# Altium PCB Archimajor.PcbDoc (part 10 of 13) (continued)
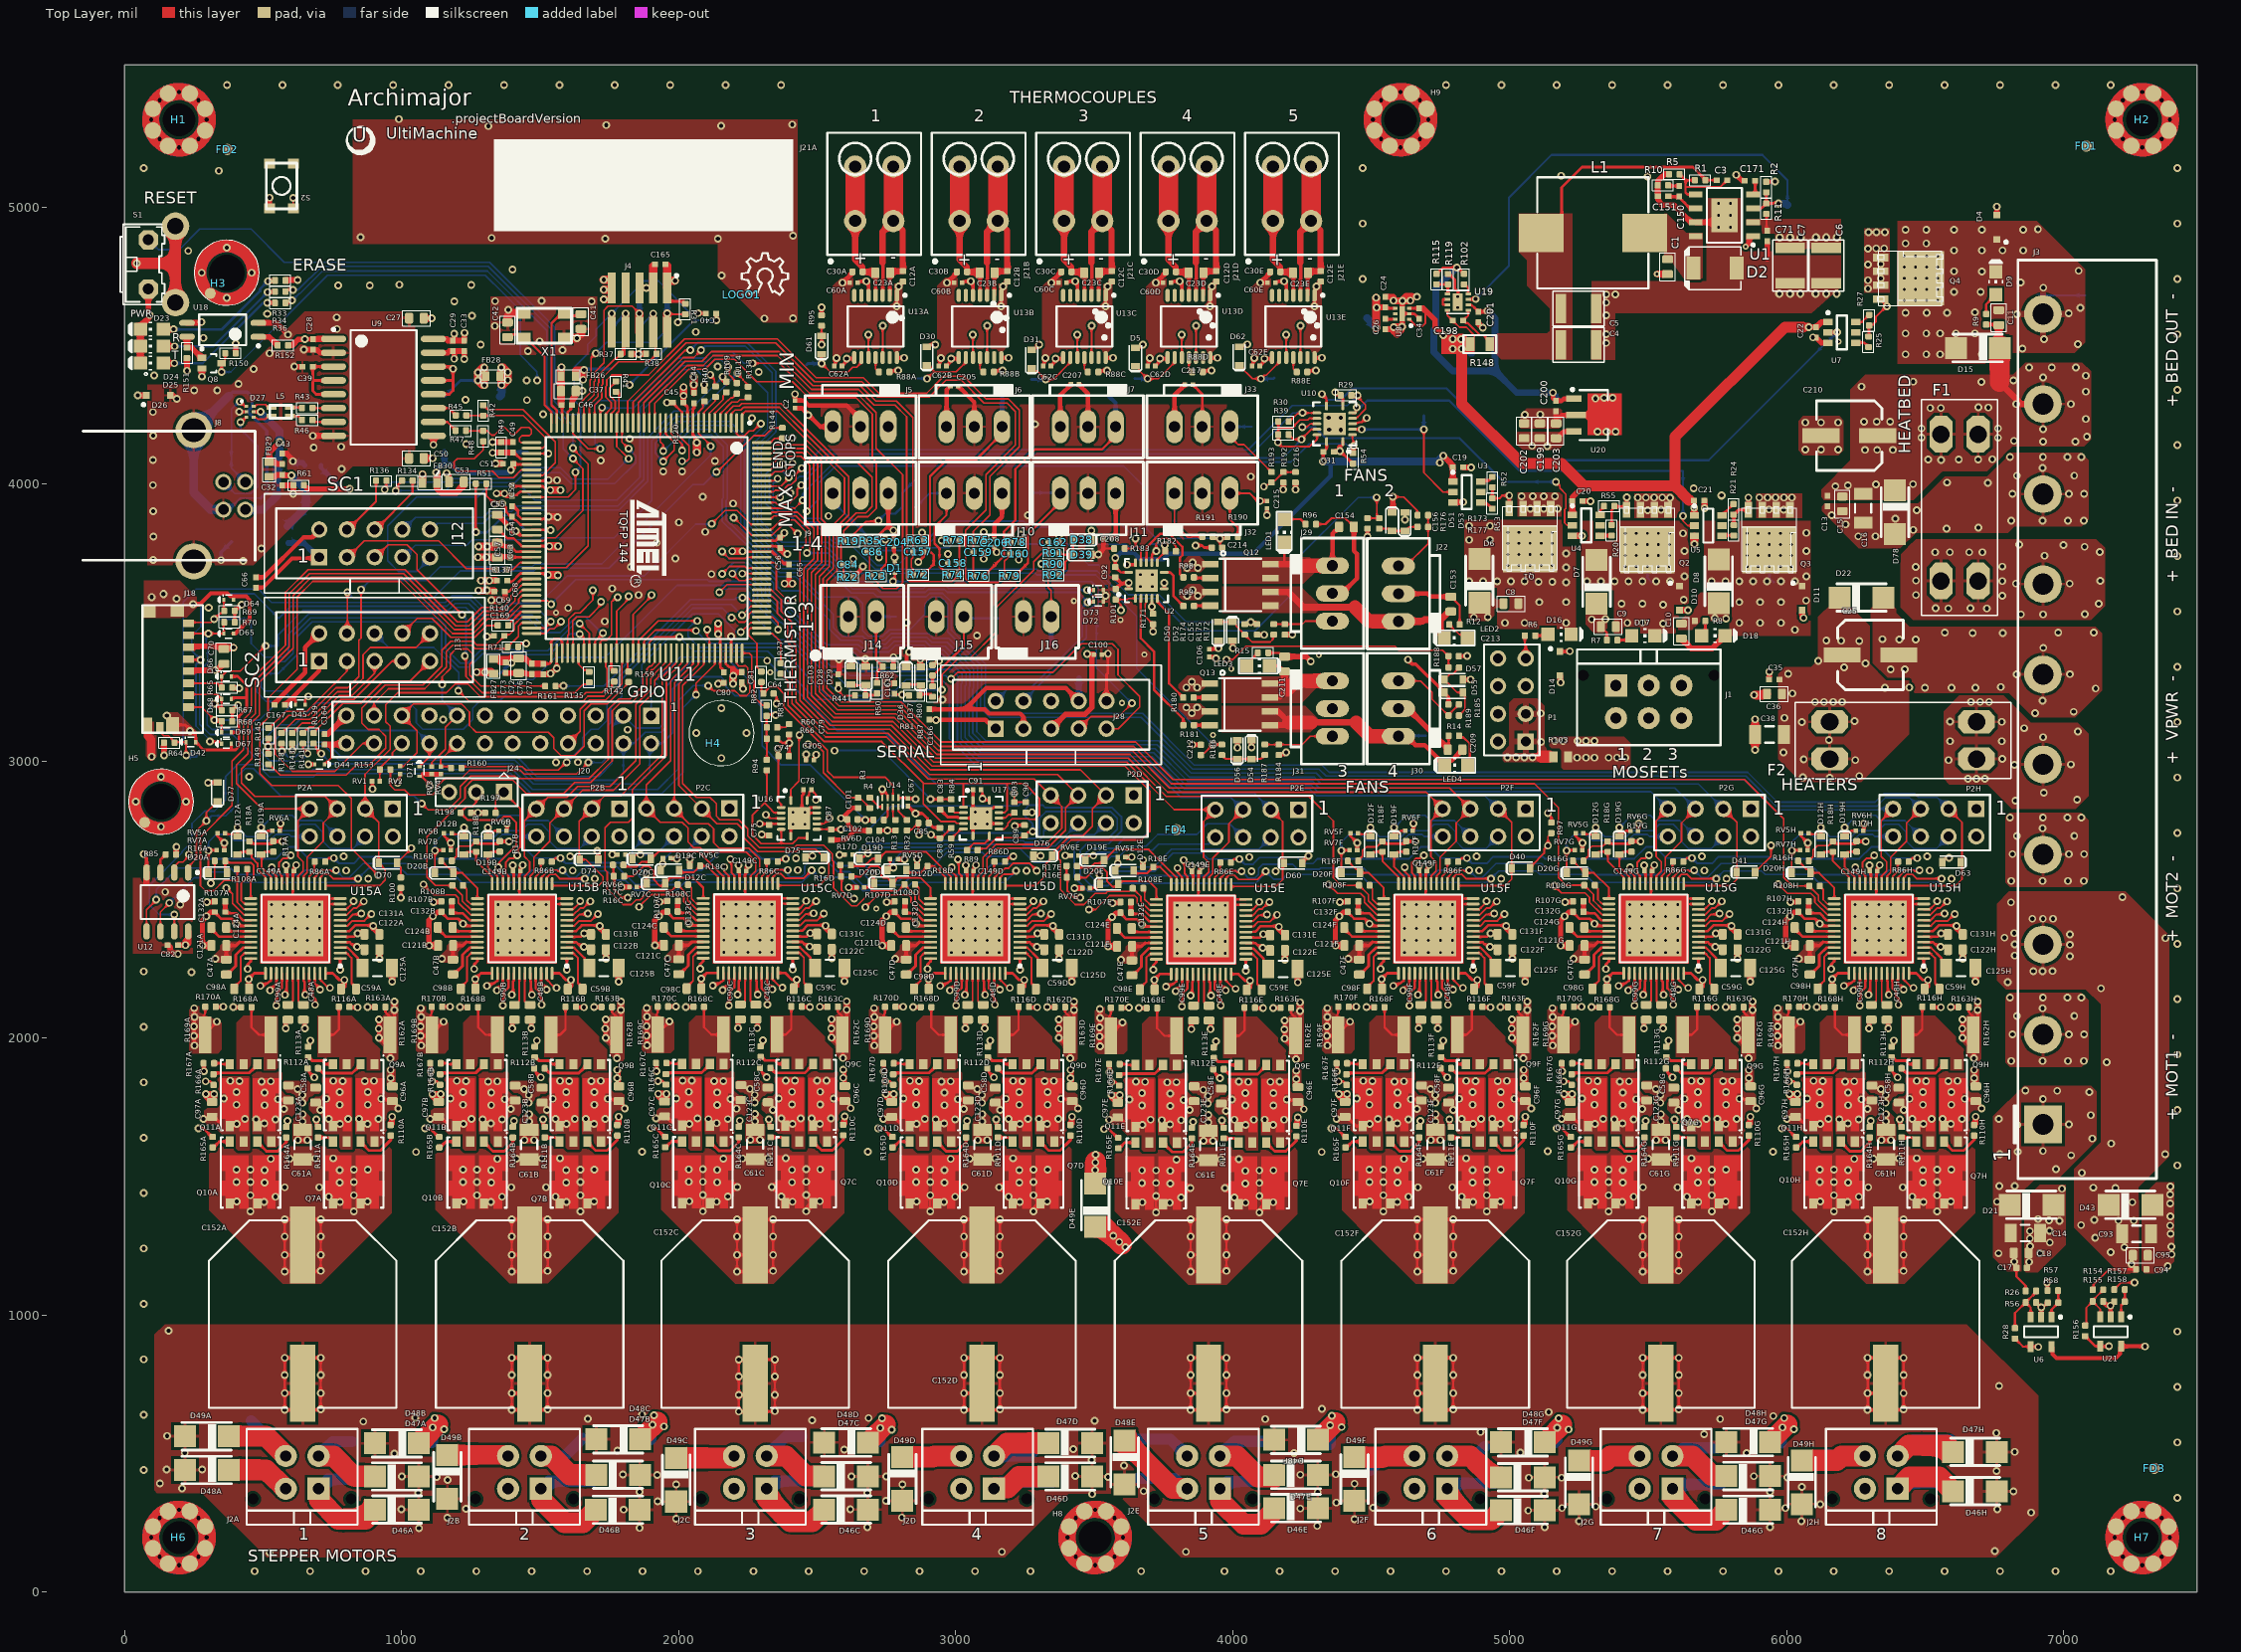
[diagram p0: Top Layer view]
## Nets (pads, with @x,y where several pads share a name; then routed paths per layer and width w, separated by ;. In a path a pad name is that pad's centre, name@x,y a point inside that pad or via, vN(x,y) a via of type N, cw(c..) or ccw(c..) an arc to the next point about the centre after c; other vN are vias at no path point) (continued)
  Top Layer w8: R116B.1@1629.81,2112.53 1631.81,2110.53 v1(1658.91,2110.53)
  Mid1 w6: v1(1658.91,2110.53) 1658.91,2110.88 1681.91,2133.88 1681.91,2179.53 1779.91,2277.53 1779.91,2433 1719.79,2493.13 v1(1681.59,2493.13)
SRBHC: R116C.1 U15C.9 | length 627.9
  Top Layer w7: U15C.9@2412.02,2445.27 2435.79,2445.27 2460.09,2469.57 2471.01,2469.57 2487.78,2486.34 v1@2497.19,2486.34
  Top Layer w8: R116C.1@2445.08,2113.49 2447.08,2111.49 v1(2474.18,2111.49)
  Mid1 w6: v1(2474.18,2111.49) 2474.18,2111.84 2497.18,2134.84 2497.18,2180.49 2595.18,2278.49 2595.18,2433.96 2535.06,2494.09 v1(2496.86,2494.09)
SRBHD: R116D.1 U15D.9 | length 627.9
  Top Layer w7: U15D.9@3232.57,2444.31 3256.35,2444.31 3280.64,2468.61 3291.56,2468.61 3308.34,2485.38 v1@3317.75,2485.38
  Top Layer w8: R116D.1@3265.64,2112.53 3267.64,2110.53 v1(3294.74,2110.53)
  Mid1 w6: v1(3294.74,2110.53) 3294.74,2110.88 3317.74,2133.88 3317.74,2179.53 3415.74,2277.53 3415.74,2433 3355.62,2493.13 v1(3317.42,2493.13)
SRBHE: R116E.1 U15E.9 | length 627.9
  Top Layer w7: U15E.9@4047.85,2441.33 4071.62,2441.33 4095.92,2465.63 4106.83,2465.63 4123.61,2482.41 v1@4133.02,2482.41
  Top Layer w8: R116E.1@4080.91,2109.55 4082.91,2107.55 v1(4110.01,2107.55)
  Mid1 w6: v1(4110.01,2107.55) 4110.01,2107.91 4133.01,2130.91 4133.01,2176.55 4231.01,2274.55 4231.01,2430.03 4170.89,2490.15 v1(4132.69,2490.15)
SRBHF: R116F.1 U15F.9 | length 627.9
  Top Layer w7: U15F.9@4868.4,2444.31 4892.17,2444.31 4916.47,2468.61 4927.39,2468.61 4944.16,2485.38 v1@4953.57,2485.38
  Top Layer w8: R116F.1@4901.46,2112.53 4903.46,2110.53 v1(4930.57,2110.53)
  Mid1 w6: v1(4930.57,2110.53) 4930.57,2110.88 4953.57,2133.88 4953.57,2179.53 5051.57,2277.53 5051.57,2433 4991.44,2493.13 v1(4953.24,2493.13)
SRBHG: R116G.1 U15G.9 | length 627.9
  Top Layer w7: U15G.9@5681.4,2444.31 5705.17,2444.31 5729.47,2468.61 5740.39,2468.61 5757.16,2485.38 v1@5766.57,2485.38
  Top Layer w8: R116G.1@5714.46,2112.53 5716.46,2110.53 v1(5743.57,2110.53)
  Mid1 w6: v1(5743.57,2110.53) 5743.57,2110.88 5766.57,2133.88 5766.57,2179.53 5864.57,2277.53 5864.57,2433 5804.44,2493.13 v1(5766.24,2493.13)
SRBHH: R116H.1 U15H.9 | length 627.9
  Top Layer w7: U15H.9@6494.4,2444.31 6518.17,2444.31 6542.47,2468.61 6553.39,2468.61 6570.16,2485.38 v1@6579.57,2485.38
  Top Layer w8: R116H.1@6527.46,2112.53 6529.46,2110.53 v1(6556.57,2110.53)
  Mid1 w6: v1(6556.57,2110.53) 6556.57,2110.88 6579.57,2133.88 6579.57,2179.53 6677.57,2277.53 6677.57,2433 6617.44,2493.13 v1(6579.24,2493.13)
SRBLA: R163A.1 U15A.10 | length 649.2
  Top Layer w7: U15A.10@778.83,2463.99 801.07,2463.99 823.32,2486.24 v1@827.26,2486.24 ; v1(827.26,2494.11) v1@831.2,2498.05 ; v1(877,2111.53) R163A.1@904,2111.53
  Mid1 w6: v1(827.26,2494.11) 852.18,2519.03 894.5,2519.03 975,2438.53 975,2272.14 877,2174.14 v1(877,2111.53)
SRBLB: R163B.1 U15B.10 | length 649.2
  Top Layer w7: U15B.10@1596.75,2463.99 1618.99,2463.99 1641.23,2486.24 v1@1645.17,2486.24 ; v1(1645.17,2494.11) v1@1649.11,2498.05 ; v1(1694.91,2111.53) R163B.1@1721.91,2111.53
  Mid1 w6: v1(1645.17,2494.11) 1670.09,2519.03 1712.41,2519.03 1792.91,2438.53 1792.91,2272.14 1694.91,2174.14 v1(1694.91,2111.53)
SRBLC: R163C.1 U15C.10 | length 649.2
  Top Layer w7: U15C.10@2412.02,2464.95 2434.26,2464.95 2456.5,2487.2 v1@2460.44,2487.2 ; v1(2460.44,2495.07) v1@2464.38,2499.01 ; v1(2510.18,2112.49) R163C.1@2537.18,2112.49
  Mid1 w6: v1(2460.44,2495.07) 2485.36,2519.99 2527.68,2519.99 2608.18,2439.49 2608.18,2273.1 2510.18,2175.1 v1(2510.18,2112.49)
SRBLD: R163D.1 U15D.10 | length 649.2
  Top Layer w7: U15D.10@3232.57,2463.99 3254.81,2463.99 3277.06,2486.24 v1@3281,2486.24 ; v1(3281,2494.11) v1@3284.94,2498.05 ; v1(3330.74,2111.53) R163D.1@3357.74,2111.53
  Mid1 w6: v1(3281,2494.11) 3305.92,2519.03 3348.24,2519.03 3428.74,2438.53 3428.74,2272.14 3330.74,2174.14 v1(3330.74,2111.53)
SRBLE: R163E.1 U15E.10 | length 649.2
  Top Layer w7: U15E.10@4047.85,2461.02 4070.08,2461.02 4092.33,2483.26 v1@4096.27,2483.26 ; v1(4096.27,2491.13) v1@4100.21,2495.07 ; v1(4146.01,2108.55) R163E.1@4173.01,2108.55
  Mid1 w6: v1(4096.27,2491.13) 4121.19,2516.05 4163.51,2516.05 4244.01,2435.55 4244.01,2269.17 4146.01,2171.17 v1(4146.01,2108.55)
SRBLF: R163F.1 U15F.10 | length 649.2
  Top Layer w7: U15F.10@4868.4,2463.99 4890.64,2463.99 4912.88,2486.24 v1@4916.83,2486.24 ; v1(4916.83,2494.11) v1@4920.76,2498.05 ; v1(4966.57,2111.53) R163F.1@4993.57,2111.53
  Mid1 w6: v1(4916.83,2494.11) 4941.74,2519.03 4984.07,2519.03 5064.57,2438.53 5064.57,2272.14 4966.57,2174.14 v1(4966.57,2111.53)
SRBLG: R163G.1 U15G.10 | length 649.2
  Top Layer w7: U15G.10@5681.4,2463.99 5703.64,2463.99 5725.88,2486.24 v1@5729.83,2486.24 ; v1(5729.83,2494.11) v1@5733.76,2498.05 ; v1(5779.57,2111.53) R163G.1@5806.57,2111.53
  Mid1 w6: v1(5729.83,2494.11) 5754.74,2519.03 5797.07,2519.03 5877.57,2438.53 5877.57,2272.14 5779.57,2174.14 v1(5779.57,2111.53)
SRBLH: R163H.1 U15H.10 | length 649.2
  Top Layer w7: U15H.10@6494.4,2463.99 6516.64,2463.99 6538.88,2486.24 v1@6542.83,2486.24 ; v1(6542.83,2494.11) v1@6546.76,2498.05 ; v1(6592.57,2111.53) R163H.1@6619.57,2111.53
  Mid1 w6: v1(6542.83,2494.11) 6567.74,2519.03 6610.07,2519.03 6690.57,2438.53 6690.57,2272.14 6592.57,2174.14 v1(6592.57,2111.53)
STEP1: P2A.5 U11.65 U15A.17 | length 2485.5
  Top Layer w6: U15A.17@646.94,2556.51 646.94,2584.35 659.45,2596.85 659.45,2652.03 717.52,2710.1 717.52,2775.98 P2A.5@768.7,2827.17 723.42,2872.44 470.47,2872.44 422.24,2920.67 422.24,2970.79 460.12,3008.67 460.12,3138.85 486.58,3165.31 486.58,3284.11 609,3406.53 609,3597.53 674,3662.53 1001.6,3662.53 1190.12,3474.01 1252.94,3474.01 1305.55,3526.62 1378.61,3526.62 1423.21,3571.22 1423.21,3584.84 1436.31,3597.94 U11.65@1469.65,3597.94
STEP2: P2B.5 U11.95 U15B.17 | length 1108.6
  Top Layer w6: U15B.17@1464.86,2556.51 1464.86,2584.35 1477.36,2596.85 1477.36,2652.03 1535.43,2710.1 1535.43,2775.98 P2B.5@1586.61,2827.17 1653.54,2894.09 1764.76,2894.09 1860.47,2989.8 1860.47,3197.61 1913.61,3250.75 1913.61,3290.63 1928.53,3305.55 1928.53,3310.54 1969.8,3351.82 1969.8,3353.94 1973.58,3357.72 U11.95@1973.58,3389.28
STEP3: P2C.5 U11.99 U15C.17 | length 1098.9
  Top Layer w6: U11.99@2052.32,3389.28 2052.32,3348.98 1986.53,3283.18 1986.53,2873.65 1983.87,2870.99 1983.87,2828.23 P2C.5@1983.97,2828.12 2038.5,2773.6 2108.38,2773.6 2126.69,2755.29 2126.69,2705.09 2146.74,2685.04 2253.47,2685.04 ; 2255.07,2683.44 2253.47,2685.04 ; U15C.17@2280.13,2557.47 2280.13,2585.31 2292.63,2597.81 2292.63,2645.88 2253.47,2685.04
STEP4: P2D.5 U11.117 U15D.17 | length 2202.5
  Top Layer w6: U11.117@2300.35,3617.62 2335.19,3617.62 2370.92,3581.89 2370.92,3539.2 2407.51,3502.61 2407.51,3434.19 2423.79,3417.91 2423.79,3213.14 2536.69,3100.23 2756.65,3100.23 2906.09,2950.79 3368.2,2950.79 P2D.5@3443.03,2875.96 3397.55,2830.49 3397.55,2749.58 3332.78,2684.81 3151.32,2684.81 3113.19,2646.68 3113.19,2596.85 3100.68,2584.35 U15D.17@3100.68,2556.51
STEP5: P2E.5 U11.118 U15E.17 | length 2890.1
  Top Layer w6: v1(2147.64,3609.25) 2175.3,3636.92 2299.97,3636.92 U11.118@2300.35,3637.31 ; U15E.17@3915.96,2553.53 3915.96,2581.37 3928.46,2593.88 3928.46,2649.06 3986.53,2707.13 3986.53,2773.01 P2E.5@4037.71,2824.19
  Bottom Layer w6: v1(2147.64,3609.25) 2158.64,3620.25 2243.53,3620.25 2256.3,3607.48 2256.3,3540.94 2359.57,3437.67 2408.88,3437.67 2536.14,3310.41 2568.62,3310.41 2624.26,3254.77 2782.33,3254.77 2821.85,3294.29 2949.23,3294.29 2977.98,3265.55 2977.98,3080.18 3072.55,2985.61 3696.57,2985.61 3813.7,2868.48 3993.42,2868.48 P2E.5@4037.71,2824.19
STEP6: P2F.5 U11.1 U15F.17 | length 4161.4
  Top Layer w6: U11.1@2229.49,4219.98 2229.49,4251.02 2240.48,4262.01 2241.38,4262.01 2241.89,4262.53 2358,4262.53 2599,4021.53 2599,3893.33 2544.23,3838.56 2544.23,3702.11 2507.79,3665.66 2507.79,3249.66 2508.26,3249.66 2573.69,3184.23 2791.44,3184.23 2937.88,3037.8 3637.33,3037.8 3772.2,2902.93 4782.5,2902.93 P2F.5@4858.27,2827.17 4807.09,2775.98 4807.09,2710.1 4749.02,2652.03 4749.02,2596.85 4736.51,2584.35 U15F.17@4736.51,2556.51
STEP7: P2G.5 U11.123 U15G.17 | length 4556.9
  Top Layer w6: v1(2157.19,3755.91) 2182.28,3730.82 2241.03,3730.82 2245.94,3735.73 U11.123@2300.35,3735.73 ; U15G.17@5549.51,2556.51 5549.51,2584.35 5562.02,2596.85 5562.02,2652.03 5620.09,2710.1 5620.09,2775.98 P2G.5@5671.27,2827.17
  Bottom Layer w6: v1(2157.19,3755.91) 2185.31,3727.79 2190.28,3727.79 2192.41,3729.92 2255.63,3729.92 2283.83,3701.72 2283.83,3701.47 2343.59,3641.71 2343.59,3610.31 2534.4,3419.51 2648.4,3419.51 2660.39,3407.53 2753.96,3407.53 2778.31,3431.88 2891.06,3431.88 2908.36,3414.59 2962.47,3414.59 3051.4,3325.66 3051.4,3268.65 3048.24,3265.49 3048.24,3092.67 3097.23,3043.68 3720.62,3043.68 3837.75,2926.55 4289.32,2926.55 4313.06,2902.81 5595.62,2902.81 P2G.5@5671.27,2827.17
STEP8: P2H.5 U11.16 U15H.17 | length 6153.3
  Top Layer w6: U11.16@1934.21,4215.01 1934.21,4152.03 1944.39,4141.85 ; v1(1944.37,4118.16) 1944.37,4141.82 ; U15H.17@6362.51,2556.51 6362.51,2584.35 6375.02,2596.85 6375.02,2652.03 6433.09,2710.1 6433.09,2775.98 P2H.5@6484.27,2827.17
  Bottom Layer w6: v1(1944.37,4118.16) 1945.63,4118.16 2038.93,4211.46 2179.13,4211.46 2224.13,4166.46 2224.13,3840.37 2296.42,3768.08 2296.42,3748.53 2325.83,3719.12 2325.83,3718.87 2365.08,3679.62 2428.85,3679.62 2516.46,3592.01 2640.73,3592.01 2664.37,3568.37 2664.37,3470.32 2685.17,3449.53 2736.56,3449.53 2760.91,3473.88 2833.91,3473.88 2889,3528.97 2889,3567.51 2913.02,3591.53 2946.98,3591.53 2971,3567.51 2971,3466.64 3093.4,3344.24 3093.4,3251.26 3090.24,3248.1 3090.24,3190.43 3123.58,3157.09 3669.59,3157.09 3855.81,2970.87 4311.77,2970.87 4337.39,2945.25 5853.13,2945.25 5961.18,2837.2 6325.73,2837.2 6356.22,2867.69 6443.74,2867.69 P2H.5@6484.27,2827.17
TACH_1: C155.1 R174.1 U11.139 | length 2349.3
  Top Layer w6: U11.139@2300.35,4050.69 2331.91,4050.69 2335.69,4054.47 2338.03,4054.47 2341.6,4058.05 2358.33,4058.05 2373.49,4073.2 v1(2375.7,4073.2) ; R174.1@4044.01,3493.53 4087.25,3493.53 4088.25,3493.53 C155.1@4088.3,3493.48
  Top Layer w12: v1(4065.66,3501.35) 4082.61,3501.35 4081.52,3500.26 4082.3,3499.48 4082.3,3498.48 4087.25,3493.53 4087.3,3493.48 C155.1@4088.3,3493.48
  Bottom Layer w6: v1(2375.7,4073.2) 2352.08,4073.2 2312.61,4033.73 2312.61,3930.82 2357.23,3886.2 2402.09,3886.2 2440.27,3848.01 2500.12,3848.01 2561.04,3787.09 2635.28,3787.09 2716.33,3706.04 2791.35,3706.04 2828.79,3743.48 2882.59,3743.48 2908.18,3769.07 2975.11,3769.07 3006.61,3800.57 3216.65,3800.57 3234.36,3782.85 3405.23,3782.85 3480.38,3707.7 3516.45,3707.7 3624.15,3600 3734.74,3600 3833.38,3501.35 3949.94,3501.35 v1(4065.66,3501.35)
TACH_2: C156.1 R176.1 U11.21 | length 4056.3
  Top Layer w6: U11.21@1835.79,4219.98 1835.79,4295.1 2023.34,4482.65 v1(2042.04,4482.65) ; C156.1@4486.92,3876.35 4529.05,3876.35 R176.1@4529.25,3876.55 4529,3876.55 4521.11,3884.44 4521.11,3884.69 4520.39,3885.41 v1(4520.39,3951.16)
  Bottom Layer w6: v1(2042.04,4482.65) 2070.81,4511.42 2246.66,4511.42 2351.32,4406.76 2351.32,4187.37 2298.61,4134.66 2298.61,3864.88 2374.08,3789.41 2538.92,3789.41 2555.24,3773.09 2629.48,3773.09 2710.53,3692.04 3292.81,3692.04 3298.98,3685.87 3511.1,3685.87 3610.98,3586 3726.1,3586 3842.24,3469.86 4080.43,3469.86 4210.35,3599.78 4210.35,3708.05 4453.46,3951.16 v1(4520.39,3951.16)
TACH_3: C212.1 R186.1 U11.20 | length 3422.6
  Top Layer w6: U11.20@1855.47,4219.98 1855.47,4294.11 2017.66,4456.3 2055.06,4456.3 v1(2081.41,4482.65) ; C212.1@3885.55,3021.04 3892.68,3028.18 3897.6,3028.18 v1(3928.85,3059.42) 3961.17,3059.42 R186.1@3961.44,3059.16
  Bottom Layer w6: v1(2081.41,4482.65) 2096.18,4497.42 2240.86,4497.42 2337.32,4400.96 2337.32,4193.17 2284.61,4140.46 2284.61,3859.08 2368.72,3774.98 2452.44,3774.98 2452.87,3775.41 2530.32,3775.41 2541.32,3764.41 2544.12,3764.41 2631.47,3677.07 2675.36,3677.07 2675.82,3677.53 3287.52,3677.53 3293.18,3671.87 3505.3,3671.87 3654.25,3522.93 3654.25,3334.03 v1(3928.85,3059.42)
TACH_4: C213.1 R188.1 U11.102 | length 3328.6
  Top Layer w6: v1(2103.07,3473.79) 2103.07,3451.16 2111.38,3442.85 U11.102@2111.38,3389.28 U11.102@2110.65,3388.55 ; v1(3978.07,3365.53) 3999.72,3365.53 4047.95,3413.76 4586.33,3413.76 4600.11,3399.98 4757.59,3399.98 C213.1@4779.25,3378.32 4779.25,3337.04 R188.1@4779.19,3336.98
  Mid1 w6: v1(2103.07,3473.79) 2103.07,3451.16 2294.01,3260.21 2294.01,3045.64 2340.64,2999.02 2618.11,2999.02 2691.31,3072.22 2936.73,3072.22 3133.58,3269.07 3798.93,3269.07 3872.75,3342.89 3955.43,3342.89 v1(3978.07,3365.53)
TC_nCS1: D61.K TP11A.1 U11.138 U13A.9 | length 811.6
  Top Layer w6: U11.138@2300.35,4031.01 2301.08,4031.74 2335.09,4031.74 2347.4,4044.05 2372.14,4044.05 2376.29,4048.2 2386.06,4048.2 2391.37,4053.52 2394.4,4053.52 2411.7,4070.82 v1(2411.7,4074.49)
  Top Layer w6.55: D61.K@2516.33,4467.89 2516.33,4435.41 2517.32,4434.42 2546.85,4404.9 2612.79,4404.9 2629.26,4421.36 2642.38,4421.36 2660.03,4439.02 U13A.9@2660.03,4456.26
  Top Layer w10.1: v1(2516.33,4434.42) v1@2517.32,4434.42
  Mid1 w10.1: v1(2411.7,4074.49) 2440.66,4103.45 2440.66,4288.76 2516.33,4364.42 v1(2516.33,4434.42)
  Bottom Layer w10.1: TP11A.1@2462.46,4430.15 2466.74,4434.42 v1(2516.33,4434.42)
TC_nCS2: D30.K TP11B.1 U11.127 U13B.9 | length 1489.7
  Top Layer w6: v1(2198.54,3878.32) 2200.51,3878.32 2264.36,3814.47 U11.127@2300.35,3814.47 2300.91,3815.02 2338,3815.02 2373.74,3850.76 2398.34,3850.76 2428.8,3820.3 v1(2429.76,3820.3)
  Top Layer w6.55: D30.K@2893.33,4435.41 2894.32,4434.42 2920.89,4407.85 ; v1(2896.68,4379.77) 2921.64,4404.73 3002.74,4404.73 3037.03,4439.02 U13B.9@3037.03,4456.26
  Top Layer w10.1: D30.K@2893.33,4434.42 D30.K@2894.32,4434.42
  Mid1 w10.1: v1(2429.76,3820.3) 2461.38,3820.3 2495.78,3854.7 2495.78,4261.16 2596.21,4361.59 2878.5,4361.59 v1(2896.68,4379.77)
  Bottom Layer w6.55: TP11B.1@2851.68,4381.01 2852.3,4380.39 2896.06,4380.39 v1(2896.68,4379.77)
TC_nCS3: D31.K TP11C.1 U11.82 U13C.9 | length 2646.1
  Top Layer w6: U11.82@1717.68,3389.28 1717.68,3429.26 1724.13,3435.71 1739.68,3435.71 1758.27,3454.29 1758.27,3574.61 1761.98,3578.32 1762.27,3578.32 1774.96,3591.02 v1(1780.92,3591.02)
  Top Layer w6.55: D31.K@3275.19,4416.71 3284.05,4407.85 3293.7,4407.85 v1(3324.9,4376.65) 3351.66,4376.65 3414.03,4439.02 U13C.9@3414.03,4456.26
  Mid1 w6: v1(1780.92,3591.02) 1892.04,3702.14 2101.1,3702.14 2107,3708.05 2284.17,3708.05 2318.62,3673.6 2454.44,3673.6 2467.24,3686.39
  Mid1 w10.1: 2467.24,3686.39 2607,3826.16 2607,4267.1 2655.23,4315.33 3263.58,4315.33 v1(3324.9,4376.65)
  Bottom Layer w10.1: TP11C.1@3274.44,4377.11 3274.9,4376.65 v1(3324.9,4376.65)
TC_nCS4: D5.K TP11D.1 U11.85 U13D.9 | length 2917.3
  Top Layer w6: U11.85@1776.73,3389.28 1776.73,3541.89 1819.88,3585.04 v1(1819.88,3594.88)
  Top Layer w6.55: D5.K@3649.21,4424.58 3653.14,4424.58 3661.68,4416.05 3661.68,4411.14 v1(3693.06,4379.77) 3731.77,4379.77 3791.03,4439.02 U13D.9@3791.03,4456.26
  Mid1 w6: v1@1819.88,3585.04 v1(1819.88,3594.88) 1819.88,3596.41 1846.88,3623.4 2080.09,3623.4 2104.7,3648.01 2288.11,3648.01 2320.59,3615.53 2434.76,3615.53 2456.9,3637.67
  Mid1 w10.1: 2456.9,3637.67 2653,3833.77 2730.54,3833.77 2778.12,3881.35 2825.7,3881.35 2849.88,3905.53 2849.88,4040.57 2916.96,4107.65 3638.5,4107.65 3683.77,4152.93 3683.77,4350.98 3693.06,4360.27 v1(3693.06,4379.77)
  Bottom Layer w10.1: TP11D.1@3647.28,4381.01 3648.52,4379.77 v1(3693.06,4379.77)
TC_nCS5: D62.K TP11E.1 U11.88 U13E.9 | length 3301
  Top Layer w6: U11.88@1835.79,3389.28 1835.79,3529.09 1902.56,3595.87 v1(1902.56,3598.76)
  Top Layer w6.55: D62.K@4024.21,4427.53 4071.97,4379.77 v1(4102.56,4379.77) 4115.04,4392.25 4121.25,4392.25 4168.03,4439.02 U13E.9@4168.03,4456.26
  Mid1 w6: v1(1902.56,3598.76) 2077.1,3598.76 2111.59,3633.24 2240.86,3633.24 2271.98,3602.13 2466.62,3602.13
  Mid1 w10.1: 2466.62,3602.13 2632.58,3768.09 2877.02,3768.09 2906.82,3797.89 2906.82,4032.67 2934.56,4060.41 3986.92,4060.41 4103.07,4176.55 v1@4103.07,4383.67
  Bottom Layer w10.1: v1(4102.56,4379.77) 4146.8,4379.77 TP11E.1@4149.6,4382.57
TCK/SWDCLK: J4.4 R38.1 TP52.1 U11.28 | length 674
  Top Layer w6: U11.28@1697.99,4219.98 1696.88,4221.09 1696.88,4284.02 1723.09,4310.23 1723.09,4357.1 1726.74,4360.75 1726.74,4384.27 1783.37,4440.9 1892.6,4440.9 1917.71,4466 1917.71,4469.44 1915.93,4471.21 1915.93,4548.2 J4.4@1915.93,4580.1 ; J4.4@1908,4548.98 1908.78,4548.2 J4.4@1909,4547.98 ; v1@1908,4613.9 v1@1908.78,4614.68 ; v1@1908.78,4614.68 1910,4615.9 1909,4616.9 1908.78,4616.68 v1(1908.78,4614.85) v1@1908.78,4614.68
  Top Layer w24: J4.4@1908.78,4548.2 1908.78,4580.1 v1@1908.78,4614.68
  Bottom Layer w6: TP52.1@1855,4554.38 1855,4561.07 v1(1908.78,4614.85)
TDI: J4.8 R37.1 TP53.1 U11.29 | length 557.2
  Top Layer w6: U11.29@1678.31,4219.98 1678.31,4285.25 1709.09,4316.03 1709.09,4362.9 1712.39,4366.2 1712.39,4393.74 1768.83,4450.17 1772.36,4450.17 R37.1@1796.2,4474.01 ; R37.1@1796.21,4474 R37.1@1801.7,4468.51 ; J4.8@1801.7,4540.67 J4.8@1809,4547.98 ; R37.1@1796.2,4474.01 1798.65,4476.47 1796.21,4476.47 1793.74,4476.47 R37.1@1796.2,4474.01
  Top Layer w15: R37.1@1801.7,4468.51 1801.7,4474 J4.8@1801.7,4540.67
  Top Layer w24: J4.8@1809.25,4548.23 v1(1809.25,4615.15)
  Bottom Layer w10: TP53.1@1755,4554.38 1755,4560.89 v1(1809.25,4615.15)
TDO/SWO: J4.6 TP50.1 U11.30 | length 689.3
  Top Layer w6: U11.30@1658.62,4219.98 1658.62,4285.36 1695.09,4321.83 1695.09,4368.7 1698.39,4372 1698.39,4404.35 1731.13,4437.09 1731.13,4626.71 1745.83,4641.4 1832.37,4641.4 v1(1858.62,4615.15) v1@1859,4614.76
  Top Layer w30: J4.6@1859,4547.98 v1@1859,4614.76
  Bottom Layer w6: TP50.1@1855,4654.38 TP50.1@1858.62,4650.76
  Bottom Layer w20: v1(1858.62,4615.15) TP50.1@1858.62,4650.76
THERM_AN1: C103.1 R44.1 TP101.1 U11.90 | length 943.9
  Top Layer w6: U11.90@1875.16,3389.28 1875.16,3431.42 1916.13,3472.39 2060.14,3472.39 v1(2063,3469.53) ; v1(2576.9,3261.36) 2576.9,3252.36 2593.78,3235.48 2628.25,3235.48 R44.1@2636.52,3243.75
  Top Layer w18: C103.1@2576.52,3275.05 v1(2576.9,3261.36)
  Bottom Layer w6: v1(2063,3469.53) 2108.86,3423.67 2402.21,3423.67 2518.42,3307.46 2518.42,3302.53 TP101.1@2548.93,3272.02 2559.6,3261.36 v1(2576.9,3261.36)
THERM_AN2: C161.1 R81.1 TP9.1 U11.89 | length 1307.5
  Top Layer w6: U11.89@1855.47,3389.28 1855.47,3434.36 1926.64,3505.53 v1(2068,3505.53) ; v1(2806.73,3238.73) 2774.03,3238.73 2777.13,3241.83 R81.1@2828.47,3241.83 ; R81.1@2834.47,3241.83 R81.1@2834.89,3241.41
  Bottom Layer w6: v1@2062,3505.53 2034.45,3477.98 2034.45,3450.2 2074.98,3409.67 2364.04,3409.67 2455,3318.71 TP9.1@2455,3315.01 2534.46,3235.55 2782.15,3235.55 2785.33,3238.73 v1(2806.73,3238.73)
THERM_AN3: C162.1 R91.1 TP10.1 U11.91 | length 1947.6
  Top Layer w6: U11.91@1894.84,3389.28 1894.84,3427.72 1914.52,3447.39 v1(2003.05,3447.39) ; v1(2950.83,3257.34) 2950.83,3311.81 3009.34,3370.32 3051.46,3370.32 3145.94,3464.81 3145.94,3553.39 3281.77,3689.22 3281.77,3718.75 3312.28,3749.26 R91.1@3334.72,3749.26 3334.72,3788.43 C162.1@3334.92,3788.63
  Mid1 w6: v1(2003.05,3447.39) v1@2005.07,3447.39
  Bottom Layer w6: v1(2003.05,3447.39) 2054.77,3395.67 2321.94,3395.67 2496.06,3221.55 2728.36,3221.55 2736.18,3213.73 2853.72,3213.73 TP10.1@2896.37,3256.38 2896.85,3256.86 2950.35,3256.86 v1(2950.83,3257.34)
TMS/SWDIO: J4.2 R31.1 TP49.1 U11.31 | length 805.6
  Top Layer w6: U11.31@1638.5,4220.42 U11.31@1638.94,4219.98 1638.94,4286.28 1681.09,4328.44 1681.09,4374.5 1684.32,4377.73 1684.32,4454.85 v1(1701,4471.53) ; v1@1958.9,4617 1959.04,4616.86 v1(1959.04,4615.65) 1962.14,4612.54 R31.1@2024.52,4612.54 ; J4.2@1959,4547.98 J4.2@1959,4547.98
  Top Layer w30: J4.2@1959,4547.98 v1(1959.04,4615.65)
  Bottom Layer w6: v1(1701,4471.53) 1740.37,4510.9 1911.91,4510.9 1959.04,4558.03 v1(1959.04,4615.65) ; TP49.1@1955,4654.38 TP49.1@1959.04,4650.34
  Bottom Layer w20: v1(1959.04,4615.65) TP49.1@1959.04,4650.34
UD_N: R43.1 U9.6 | length 74.9
  Top Layer w6: R43.1@680,4273.53 U9.6@754.88,4273.53
UD_P: R46.1 U9.7 | length 76.9
  Top Layer w6: R46.1@678,4223.53 U9.7@754.88,4223.53
UI_N: R45.2 U9.11 | length 91.9
  Top Layer w8: U9.11@1115.12,4273.53 1170.22,4273.53 R45.2@1196.22,4247.52
UI_P: R47.2 U9.10 | length 93.9
  Top Layer w8: U9.10@1115.12,4223.53 1165.22,4223.53 R47.2@1196.22,4192.52
UMCU_N: R42.2 R45.1 U11.38 | length 400.8
  Top Layer w6: R45.1@1233.9,4247.53 1234.9,4246.53 R42.2@1295,4246.53 1439.32,4246.53 1520,4165.85 1520,4139.43 1510,4129.43 U11.38@1469.65,4129.43
UMCU_P: R47.1 R48.2 U11.37 | length 398.1
  Top Layer w6: R47.1@1232.9,4192.53 1233.9,4191.53 R48.2@1295,4191.53 1310.36,4191.53 1325.86,4176.03 1335.5,4176.03 1362.9,4203.43 1373.1,4203.43 1398,4178.53 1408,4178.53 1432.9,4203.43 1459.79,4203.43 1468.69,4194.53 1468.69,4181.22 1462,4174.53 1435,4174.53 1426,4165.53 1426,4153.84 1430.73,4149.12 U11.37@1469.65,4149.12
USB_GND: C27.1 C28.2 C32.2 C39.2 C43.1 C50.1 D26.A D27.2 J8.4 J8.5 J8.6 JP2.2 R61.2 TP60.1 U9.2 U9.8 U18.2 | length 1871.7
  Top Layer w8: v1(414,4260.34) D27.2@439.71,4260.34
  Top Layer w20: D26.A@164,4319.53 D26.A@166,4319.53 175,4319.53 v1@188,4306.53 ; U18.2@483.42,4581.14 548.7,4581.14 v1(590.51,4539.33) ; C43.1@569.6,4110.18 585.29,4110.18 608.64,4086.83 v3(608.64,4081.73) ; C32.2@570.55,3995.28 R61.2@610.28,3995.28 610.28,3965.84 v1(609.25,3964.81) ; v1(613,4423.53) C39.2@642,4423.53 ; v1(648,4484.53) C28.2@680,4484.53 695.36,4484.53 695.36,4483.5 705.34,4473.53 U9.2@754.88,4473.53
  Top Layer w22: v1(680,4173.53) U9.8@754.88,4173.53
  Bottom Layer w7: J8.4@357,3907.53 376.52,3907.53 418.02,3949.03 492.02,3949.03 ; v1(414,4260.34) 442.33,4260.34 445,4260.34
  Bottom Layer w12: v3(348.9,3724.34) 348.9,3753.91 TP60.1@386,3791.01 ; 376,4317.01 390,4331.01 443,4331.01 461,4313.01 461,4279.01 442.33,4260.34 ; 445,4260.34 514,4191.34 514,3971.01 492.02,3949.03
  Bottom Layer w20: v3@608.64,4075.82 642.45,4075.82 JP2.2@650.12,4068.16
  Bottom Layer w32: J8.4@357,3907.53 311.48,3907.53 250,3969.01 J8.5@250,4193.75 252.74,4193.75 376,4317.01
  other v1: 189,4307.53
  other v3: 428.6,3722.41 103.52,3725.79 494.29,3766.36 104.66,3810.04 103.21,3901.83 102.49,3995.79 783.63,4054.55 102.49,4086.14 683,4131.53 782.25,4133.85 103.34,4173.86 102.7,4259.58 251.58,4337.56 334.72,4338.21 411.42,4360.77 466.54,4415.4 523.49,4471.32 766.99,4559.3 766.57,4601.03
VBED: C11.1 C13.1 C15.1 C16.2 C210.1 D15.C D78.K F1.2 J3.9 R9.2 TP43.1 | length 443.2
  Top Layer w10: R9.2@6720.19,4575.42 6763.6,4575.42 C11.1@6765.47,4573.55
  Top Layer w24: C11.1@6765.47,4573.55 6765.47,4494.02 D15.C@6768.42,4491.07 ; 6768.42,4366.61 6846.71,4288.31 J3.9@6925,4288.31
  Top Layer w70: 6768.42,4366.61 D15.C@6768.42,4491.07
  other v1: 6176.04,3991.79 6220.5,3994.91 6321.9,3998.81 6456.06,3999.59 6557.16,4086.87 6510.66,4088.51 6621.13,4087.85 6691.02,4087.85 6742.32,4089.29 6282.9,4122.83 6326.58,4122.83 6383.52,4122.83 6925.62,4152.47 7042.62,4153.25 6820.32,4155.59 6762.87,4166.59 6486.43,4167.61 7083.96,4171.19 6925.62,4197.71 6486.43,4200.09 6762.87,4200.06 6279,4224.23 6325.02,4224.23 6373.38,4224.23 7080.06,4234.37 6518.46,4274.15 6556.68,4274.15 6692.4,4276.49 6727.5,4275.71 6828.12,4288.19 7025.46,4288.19 7080.06,4333.43 6269.64,4351.37 6703.32,4368.53 6456.84,4369.31 6818.76,4373.21 6925.62,4384.91 7080.06,4390.37 6874.92,4420.01 6956.82,4420.01 7044.18,4420.79
VBED_IN: F1.1 J3.7 TP44.1
  other v1: 6845.28,3529.25 6925.62,3529.25 7076.16,3530.03 6583.2,3550.31 6722.04,3550.31 6537.96,3551.09 6663.54,3551.09 7126.86,3567.47 6778.2,3596.33 6466.98,3598.67 6827.34,3640.01 7021.56,3640.01 6778.2,3649.53 7131.54,3650.15 6466.98,3650.93 6466.2,3700.07 6778.2,3701.63 6930.3,3740.63 6535.62,3753.11 6589,3753.11 6659,3753.11 6706,3753.11 7129.98,3753.89 7075.38,3773.39 6998.94,3779.63 6839.04,3781.19
VBUS_UC: Q8.3 R150.1 TP30.1 U11.39 | length 1973.7
  Top Layer w6: v3(350.48,4403.94) Q8.3@350.48,4435.58 363.66,4448.76 R150.1@363.66,4471.67 ; U11.39@1469.65,4109.75 v1(1530,4109.75)
  Mid1 w6: v3(1489.28,4373.08) 1489.28,4355 1483.74,4349.46 1483.74,4156.01 v1(1530,4109.75)
  Bottom Layer w6: v3(350.48,4403.94) 383.47,4403.94 732.85,4753.32 1302.4,4753.32 1367.87,4687.86 1367.92,4687.81 ; 1368.71,4687.08 1367.98,4687.81 1367.92,4687.81 ; v3(1489.28,4373.08) 1489.28,4404.94 1428.74,4465.48 1428.74,4626.99 1367.92,4687.81
VDD1: C39.1 U9.3 U9.4 U9.5 | length 318.8
  Top Layer w10: U9.5@754.88,4323.53 692,4323.53 679.7,4335.83 679.7,4374.53 ; U9.4@754.88,4373.53 680.7,4373.53 679.7,4374.53 ; U9.3@754.88,4423.53 C39.1@679.7,4423.53 679.7,4374.53
VDDANA: C72.2 C73.1 C76.1 C77.1 FB27.2 TP27.1 U11.73 U11.75 | length 541.7
  Top Layer w9: C77.1@1512.39,3351.14 1533.13,3351.14 U11.73@1540,3358.01 ; U11.73@1540.51,3386.85 U11.73@1540.51,3389.28 1540.51,3430.61 1550.79,3440.89 1569.6,3440.89 1579.88,3430.61 U11.75@1579.88,3389.28
  Top Layer w20: FB27.2@1327.73,3368.18 FB27.2@1344.65,3368.18 ; 1395.72,3371.83 1393,3371.83 1389.35,3368.18 ; C72.2@1422.6,3368.18 1449.59,3368.18 ; C77.1@1512.39,3351.14 1466.63,3351.14 1449.59,3368.18 ; FB27.2@1344.65,3368.18 1389.35,3368.18 ; FB27.2@1344.65,3368.18 1357.45,3355.38 1388.77,3355.38 1401.57,3368.18 ; 1389.35,3368.18 1401.57,3368.18 ; 1401.57,3368.18 1404.81,3371.42 C72.2@1422.6,3371.42 ; 1401.57,3368.18 1419.35,3368.18 C72.2@1422.6,3371.42 ; C72.2@1422.6,3371.42 1446.35,3371.42 1449.59,3368.18
  Bottom Layer w10: TP27.1@1355,3315.01 1393,3353.01 1392.42,3353.59 v1(1396.93,3353.59)
VDDOUT: C44.1 C52.1 C55.2 C65.1 C68.1 C80.1 FB26.2 TP26.1 U11.10 U11.45 U11.56 U11.61 U11.104 U11.124 | length 1393
  Top Layer w9: C55.2@1350,3836.01 1382.48,3803.53 1405,3803.53 1433.42,3775.1 U11.56@1469.65,3775.1 v1@1526.62,3775.1 ; C68.1@1384.7,3647.01 1399,3647.01 1428.67,3676.68 U11.61@1469.65,3676.68 v3@1523.17,3676.68 ; C52.1@1399,3991.53 1417.7,3991.53 1417.59,3991.64 U11.45@1469.65,3991.64 1510.17,3991.64 1520.28,3981.53 1535.85,3981.53 v3@1538.37,3984.05 ; v1(1533.37,3775.07) v1@1526.58,3775.07 ; v1@1533.57,3774.86 v1@1533.89,3775.19 ; 2052.32,4176.58 U11.10@2052.32,4219.98 2052.32,4270.87 ; v1@2150.75,3458.65 U11.104@2150.75,3389.28 2150.75,3338.95 C80.1@2164,3325.69 ; v1@2231.58,3755.42 U11.124@2300.35,3755.42 2338.05,3755.42 ; v1@1526.58,3775.07 v1@1526.62,3775.1
  Top Layer w12: v3@1523.17,3676.68 v3(1528.17,3671.67) ; 2052.32,4176.58 2060,4168.9 2060,4155.3 v1@2066.13,4149.17 ; 2052.32,4270.87 2056,4274.55 C44.1@2056,4291.31 ; C80.1@2164,3319.23 C80.1@2164,3325.69 ; v1(2231.18,3756.81) v1@2231.58,3756.42 ; 2338.05,3755.42 2380.82,3712.65 2395.71,3712.65 C65.1@2399.33,3709.03
  Top Layer w26: v3(1536.98,3977.66) v3(1573.81,3977.7) ; v1@1648.74,4386.07 1655.94,4378.88 1655.94,4408 1656.82,4408.89 v1(1659.06,4411.13)
  Top Layer w28: v3@1528.17,3671.36 v3@1564.6,3671.36 ; v3(2193.89,3756.74) 2193.96,3756.81 v1(2231.18,3756.81)
  Top Layer w30: v1@1533.89,3775.19 v3(1564.73,3775.19) ; 1629.94,4408.89 v1@1656.82,4408.89 ; FB26.2@1631.69,4388.53 1634.15,4386.07 v1@1648.74,4386.07 ; v3(2066.13,4114.17) v1@2066.13,4149.17 ; v1@2142.87,3458.55 v3(2142.87,3495.32)
  Bottom Layer w10: v1(1659.06,4411.13) 1662.94,4415.01 TP26.1@1755,4415.01
  other v1: 2143,3458.53 2066.15,4149.2 1655.94,4376.04
  other v3: 1564,3670.01
VDDPLL: C37.2 C46.1 FB26.1 U11.34 | length 205.9
  Top Layer w9: U11.34@1579.88,4219.98 C46.1@1579.88,4285.95
  Top Layer w12: C46.1@1576,4289.83 C46.1@1579.88,4285.95
  Top Layer w25: C46.1@1575.82,4288.01 1575.82,4335.08 FB26.1@1575.82,4388.53 1575.82,4419.35 v3(1578,4421.53)
VDDUTMI: C51.1 C53.2 FB30.2 TP29.1 U11.41 | length 617.5
  Top Layer w8: v1@1395,4049.46 v1(1395,4050.01) ; C51.1@1403.7,4073.53 C51.1@1406.85,4070.38
  Top Layer w9: C51.1@1406.85,4070.38 U11.41@1469.65,4070.38
  Top Layer w20: v1@1395,4049.46 1403.7,4058.17 C51.1@1403.7,4073.53
  Top Layer w23: v1@1128.42,4042.31 FB30.2@1128.42,4003.6 1128.42,3983.49 1144.08,3967.82 1197.81,3967.82 1224.71,3994.72 C53.2@1224.71,4007.01
  Bottom Layer w20: v1@1124.4,4041.39 1124.4,4046.32 1149.41,4071.33 ; TP29.1@1155,4115.01 1155,4076.92 1160.46,4071.46 1176.66,4071.46 1207.11,4041.01 1384.48,4041.01 1393.48,4050.01 v1(1395,4050.01)
  other v1: 1125.24,4041.54